# KiCad board Engine.kicad_pcb (continued)
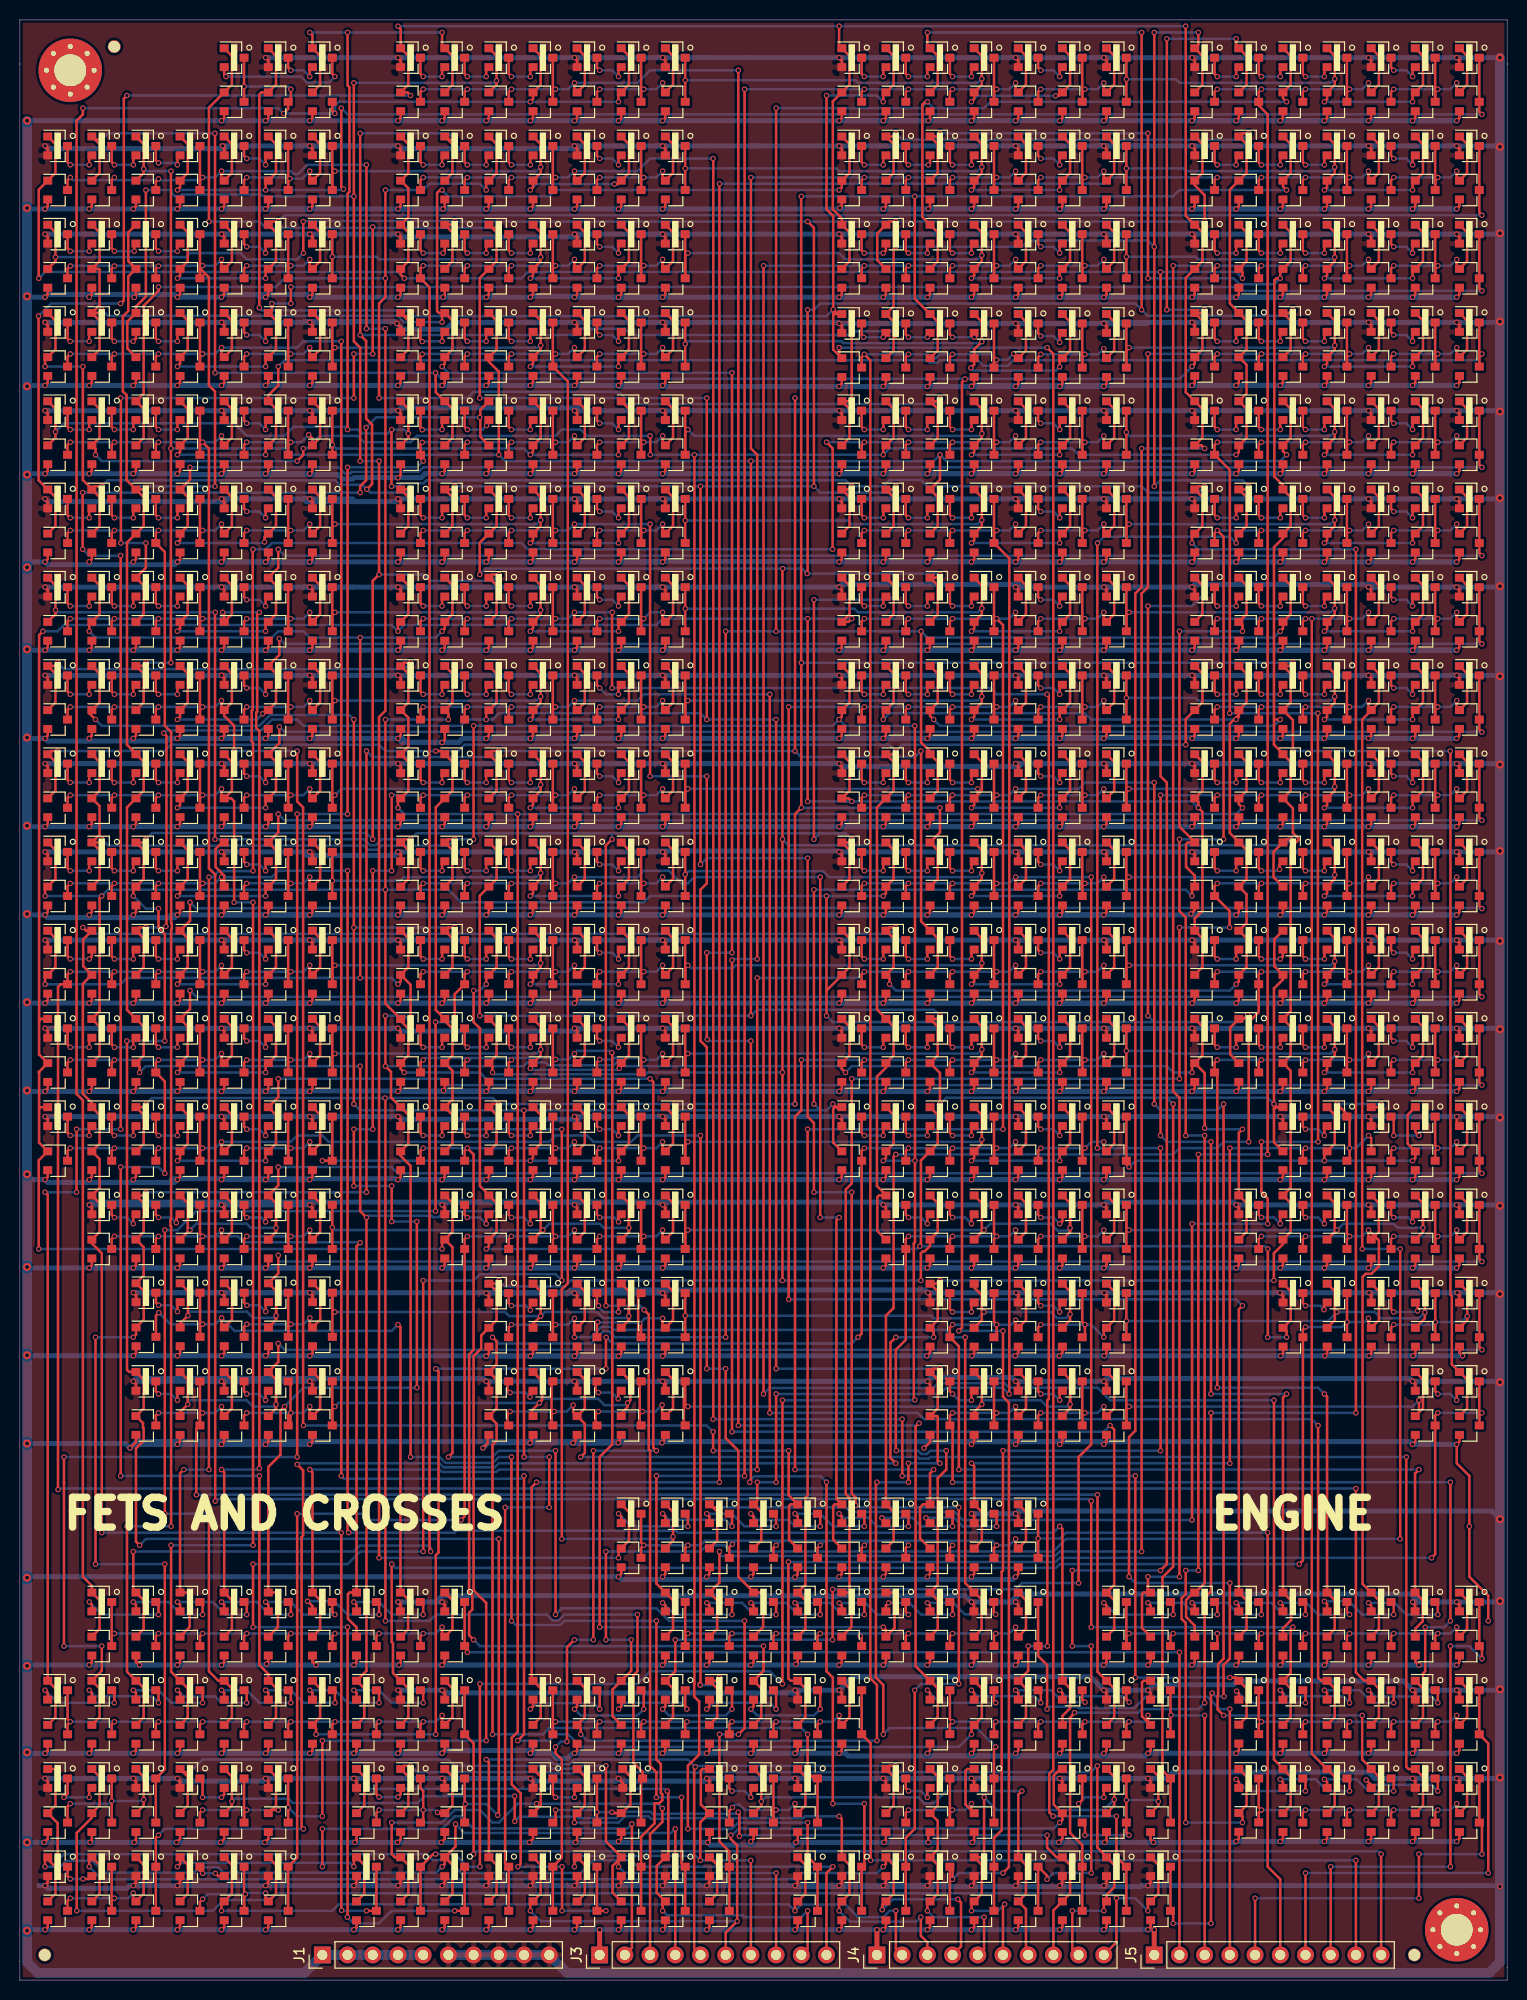
[diagram p0: board, top side]
## Routing (per net, layer and track width the routed paths; a pad name or vN(x,y) marks a point on that pad's centre or on a via; arc(x,y) is an arc through that point) (continued)
/M2_E: length 155.2
  Top w0.25: Q654.3 Q656.3 98.16,136.89 v1(98.43,137.16) 99.06,136.52 v1(99.06,85.72) ; Q649.3 84.82,136.89 v1(85.09,137.16) ; Q650.3 89.27,136.89 v1(89.54,137.16) ; Q655.3 93.71,136.89 v1(93.98,137.16) ; v1(100.33,137.79) 100.33,137.11 Q659.1 101.38,137.62 101.38,140.51 100.6,141.28 ; v1(79.38,85.72) 79.38,48.82 79.15,48.6 79.15,39.83 Q159.1 79.15,38.27 79.15,35.38 Q167.1
  Bottom w0.25: v1(85.09,137.16) v1(98.43,137.16) 99.7,137.16 v1(100.33,137.79) ; v1(79.38,85.72) v1(99.06,85.72)
/M2_F: length 146.6
  Top w0.25: Q598.3 Q600.3 133.72,110.22 v1(133.98,110.49) ; v1(120.65,110.49) 120.38,110.22 Q593.3 121.9,107.7 v1(121.9,106.04) ; Q594.3 124.83,110.22 v1(125.1,110.49) ; Q599.3 129.27,110.22 v1(129.54,110.49) ; v1(135.89,111.12) 135.89,110.44 Q603.1 136.94,110.95 136.94,113.84 Q604.1 ; v1(116.84,90.8) v1(116.84,106.04) ; 83.52,39.05 83.79,38.78 83.79,35.57 Q161.1 ; 83.52,39.05 83.6,39.13 83.6,48.6 83.22,48.98 83.22,79.66 83.82,80.26 v1(83.82,90.8) ; 83.52,39.05 Q158.1
  Bottom w0.25: v1(120.65,110.49) v1(133.98,110.49) 135.25,110.49 v1(135.89,111.12) ; v1(116.84,90.8) v1(83.82,90.8) ; v1(116.84,106.04) v1(121.9,106.04)
/M2_H: length 130.8
  Top w0.25: Q458.3 Q460.3 53.7,92.48 v1(53.98,92.76) ; Q453.3 40.37,92.44 v1(40.64,92.71) ; Q454.3 44.81,92.44 v1(45.09,92.71) ; Q459.3 49.26,92.44 v1(49.53,92.71) ; v1(55.88,93.34) 55.88,92.66 Q463.1 56.93,93.17 56.93,96.06 Q464.1 ; v1(87,35.56) 87.27,35.29 Q155.1 88.14,35.48 88.14,38.88 87.97,39.05 Q157.1 ; v1(58.42,35.56) 58.42,52.7 59.69,53.97 59.69,93.39 v1(59.64,93.43)
  Bottom w0.25: 50.36,92.91 45.52,92.91 ; 50.36,92.91 49.73,92.91 v1(49.53,92.71) ; 50.36,92.91 53.83,92.91 v1(53.98,92.76) 55.29,92.76 v1(55.88,93.34) 56.15,93.62 59.46,93.62 v1(59.64,93.43) ; 45.52,92.91 45.33,92.71 v1(45.09,92.71) ; 45.52,92.91 40.84,92.91 v1(40.64,92.71) ; v1(58.42,35.56) v1(87,35.56)
/M2_K: length 70.8
  Top w0.25: Q276.1 101.38,78.28 101.38,75.39 Q275.1 100.33,74.88 v1(100.33,75.56) ; v1(89.54,74.93) 89.27,74.66 Q279.3 89.27,64.5 88.27,63.5 88.27,53.4 v1(88.32,53.35) ; Q284.3 98.16,74.66 v1(98.43,74.93) 98.16,75.2 Q283.3 ; v1(93.98,74.93) 93.71,74.66 Q280.3 ; Q166.1 92.49,35.38 92.49,38.27 Q154.1 92.49,39.83 92.49,50.58 93.34,51.44 v1(93.34,53.34)
  Bottom w0.25: v1(89.54,74.93) v1(98.43,74.93) 99.7,74.93 v1(100.33,75.56) ; v1(88.32,53.35) 90.5,53.35 90.85,53 91.4,53 91.73,53.34 v1(93.34,53.34)
/M2_L: length 92.5
  Top w0.25: Q298.1 56.93,69.39 56.93,66.5 Q297.1 ; Q297.1 55.88,65.99 v1(55.88,66.67) ; Q297.1 55.88,65.45 v1(55.88,64.77) ; Q303.3 Q304.3 53.7,65.77 v1(53.98,66.04) ; v1(49.53,66.04) 49.26,65.77 Q301.3 ; v1(95.25,64.77) 95.25,40 96.13,39.12 Q153.1 96.2,39.05 96.91,38.35 96.91,35.36 Q160.1
  Bottom w0.25: v1(49.53,66.04) v1(53.98,66.04) 55.24,66.04 v1(55.88,66.67) ; v1(55.88,64.77) 57.55,64.77 58.59,65.81 59.56,65.81 59.86,65.51 93.24,65.51 93.98,64.77 v1(95.25,64.77)
/M3_A: length 225.9
  Top w0.25: Q991.3 120.38,190.23 v1(120.65,190.5) ; Q997.3 129.27,190.23 v1(129.54,190.5) ; v1(133.98,190.5) 133.72,190.23 Q998.3 Q996.3 ; v1(125.1,190.5) 124.83,190.23 Q992.3 124.83,188.86 125.73,187.96 v1(125.73,83.18) ; Q148.1 123.6,20.49 123.6,17.62 Q150.1 123.19,16.48 v1(123.19,15.88) ; v1(117.48,41.28) 117.48,38.9 117.06,38.48 117.06,36.4 117.48,35.98 v1(117.48,15.88) ; v1(135.89,191.13) 135.89,190.45 Q1001.1 136.94,190.96 136.94,193.85 Q1002.1 ; v1(118.75,83.18) v1(118.75,41.28)
  Bottom w0.25: v1(120.65,190.5) v1(133.98,190.5) 135.25,190.5 v1(135.89,191.13) ; v1(117.48,15.88) v1(123.19,15.88) ; v1(118.75,41.28) v1(117.48,41.28) ; v1(125.73,83.18) v1(118.75,83.18)
/M3_B: length 250.7
  Top w0.25: Q145.1 128.05,17.6 128.05,20.49 Q147.1 127.27,21.32 126.36,22.22 v1(126.36,58.42) ; Q850.3 Q852.3 98.16,172.45 v1(98.43,172.72) ; Q845.3 84.82,172.45 v1(85.09,172.72) ; Q846.3 89.27,172.45 v1(89.54,172.72) ; Q851.3 93.71,172.45 v1(93.98,172.72) ; v1(100.33,173.35) 100.33,172.67 Q855.1 101.38,173.18 101.38,176.07 Q856.1 ; v1(74.93,59.05) v1(74.93,172.72)
  Bottom w0.25: v1(100.33,173.35) 99.7,172.72 v1(98.43,172.72) v1(85.09,172.72) v1(74.93,172.72) ; v1(74.93,59.05) 75.53,59.66 92.04,59.66 92.52,60.14 99.23,60.14 99.68,59.69 108.59,59.69 109.86,58.42 v1(126.36,58.42)
/M3_E: length 153.2
  Top w0.25: Q141.1 132.49,17.6 132.49,20.49 Q146.1 130.17,22.81 v1(130.17,137.16) ; Q668.3 Q670.3 133.72,136.89 v1(133.98,137.16) ; Q663.3 120.38,136.89 v1(120.65,137.16) ; Q664.3 124.83,136.89 v1(125.1,137.16) ; Q669.3 129.27,136.89 v1(129.54,137.16) ; v1(135.89,137.79) 135.89,137.11 Q673.1 136.94,137.62 136.94,140.51 136.16,141.28
  Bottom w0.25: v1(135.89,137.79) 135.25,137.16 v1(133.98,137.16) v1(130.17,137.16) v1(120.65,137.16)
/M3_F: length 172.7
  Top w0.25: Q149.1 136.94,17.6 136.94,20.49 Q143.1 136.16,21.32 135.25,22.22 v1(135.25,26.67) ; Q500.3 Q502.3 98.16,119.11 v1(98.43,119.38) ; Q495.3 84.82,119.11 v1(85.09,119.38) ; Q496.3 89.27,119.11 v1(89.54,119.38) ; Q501.3 93.71,119.11 v1(93.98,119.38) ; v1(100.33,120.01) 100.33,119.33 Q505.1 101.38,119.84 101.38,122.73 Q506.1 ; v1(114.3,88.26) v1(114.3,120.65) ; v1(121.29,26.67) 120.68,27.27 120.68,28.58 120.74,28.63 120.74,31.84 121.29,32.39 v1(121.29,88.26)
  Bottom w0.25: v1(85.09,119.38) v1(98.43,119.38) 99.7,119.38 v1(100.33,120.01) 106.68,120.01 107.32,120.65 v1(114.3,120.65) ; v1(114.3,88.26) 114.9,87.66 120.68,87.66 v1(121.29,88.26) ; v1(135.25,26.67) v1(121.29,26.67)
/M3_M: length 146.3
  Top w0.25: 56.02,61.41 56.79,60.64 ; v1(53.84,57.29) 53.57,57.02 53.57,56.02 53.57,60.46 ; 49.13,56.02 49.13,57.02 v1(49.4,57.29) ; v1(55.75,57.92) 55.75,57.24 56.02,56.97 ; Q144.1 141.38,17.6 141.38,20.49 Q142.1 139.91,21.27 139.7,21.47 v1(139.7,52.7) ; 56.15,61.28 56.93,60.5 56.93,57.61 Q347.1 56.93,56.05 56.93,53.12 v1(56.51,52.7)
  Bottom w0.25: v1(49.4,57.29) v1(53.84,57.29) 55.11,57.29 v1(55.75,57.92) ; v1(56.51,52.7) 90.49,52.7 90.64,52.55 91.58,52.55 91.73,52.7 v1(139.7,52.7)
/M4_A: length 221
  Top w0.25: Q1010.3 Q1012.3 18.14,181.34 v1(18.41,181.61) ; Q1005.3 4.81,181.34 v1(5.08,181.61) ; v1(20.32,182.25) 20.32,181.56 Q1015.1 21.37,182.07 21.37,184.96 20.59,185.73 ; v1(9.53,181.61) 9.26,181.34 Q1006.3 ; v1(34.92,182.88) v1(34.92,166.37) ; v1(36.2,42.54) 36.2,127.25 36.83,127.89 v1(36.83,166.37) ; v1(60.32,42.54) 60.32,43.22 61.37,44.27 61.37,47.16 Q137.1 ; v1(13.97,181.46) 13.7,181.19 Q1011.3
  Bottom w0.25: 14.97,181.34 9.25,181.34 ; 14.97,181.34 14.1,181.34 v1(13.97,181.46) ; 14.97,181.34 18.14,181.34 v1(18.41,181.61) 19.68,181.61 v1(20.32,182.25) 27.3,182.25 27.6,181.95 28.03,181.95 28.96,182.88 v1(34.92,182.88) ; 9.25,181.34 5.35,181.34 v1(5.08,181.61) ; 9.25,181.34 v1(9.53,181.61) ; v1(34.92,166.37) v1(36.83,166.37) ; v1(36.2,42.54) v1(60.32,42.54)
/M4_B: length 167
  Top w0.25: Q892.3 Q894.3 ; Q894.3 53.7,163.56 v1(53.98,163.83) ; Q894.3 55.21,161.05 55.21,70.2 54.61,69.6 v1(54.61,44.45) ; Q888.3 44.81,163.56 v1(45.09,163.83) ; Q893.3 49.26,163.56 v1(49.53,163.83) ; v1(55.88,164.47) 55.88,163.78 Q897.1 56.93,164.29 56.93,167.18 Q898.1 ; Q136.1 65.82,47.16 v1(65.82,44.67) 65.82,44.27 65.04,43.5 ; v1(40.54,163.81) 40.37,163.64 Q887.3
  Bottom w0.25: v1(55.88,164.47) 55.24,163.83 v1(53.98,163.83) 40.56,163.83 v1(40.54,163.81) ; v1(54.61,44.45) 65.59,44.45 v1(65.82,44.67)
/M4_C: length 216.5
  Top w0.25: Q766.3 Q768.3 133.72,154.67 v1(133.98,154.94) ; v1(120.65,154.94) 120.38,154.67 Q761.3 121.92,152.13 121.92,127.66 v1(121.9,127.63) ; Q762.3 124.83,154.67 v1(125.1,154.94) ; Q767.3 129.27,154.67 v1(129.54,154.94) ; v1(135.89,155.57) 135.89,154.89 Q771.1 136.94,155.4 136.94,158.29 136.16,159.06 ; v1(125.1,84.45) 125.1,79.37 125.73,78.74 v1(125.73,76.2) ; v1(118.11,76.2) v1(118.11,46.35) ; v1(70.48,47.62) 69.8,47.62 Q135.1 69.54,47.94 70.26,47.21 70.26,44.27 69.48,43.5 ; v1(130.81,84.45) 130.81,101.6 130.79,101.62 v1(130.79,127.63)
  Bottom w0.25: v1(120.65,154.94) v1(133.98,154.94) 135.25,154.94 v1(135.89,155.57) ; v1(121.9,127.63) v1(130.79,127.63) ; v1(125.73,76.2) v1(118.11,76.2) ; v1(130.81,84.45) v1(125.1,84.45) ; v1(118.11,46.35) 95,46.35 94.18,47.17 83.67,47.17 83.22,47.62 v1(70.48,47.62)
/M4_D: length 160.3
  Top w0.25: Q808.3 Q810.3 ; Q810.3 98.16,145.78 v1(98.43,146.05) ; Q810.3 99.7,143.24 99.7,59.08 v1(99.67,59.05) ; Q803.3 84.82,145.78 v1(85.09,146.05) ; Q804.3 89.27,145.78 v1(89.54,146.05) ; Q809.3 93.71,145.78 v1(93.98,146.05) ; v1(100.33,146.69) 100.33,146 Q813.1 101.38,146.51 101.38,149.4 Q814.1 ; 73.93,43.5 74.71,44.27 74.71,47.16 Q131.1 74.3,48.3 v1(74.3,50.16) ; v1(76.2,59.05) v1(76.2,50.16)
  Bottom w0.25: v1(85.09,146.05) v1(98.43,146.05) 99.7,146.05 v1(100.33,146.69) ; v1(76.2,59.05) 92.71,59.05 93.34,59.69 99.04,59.69 v1(99.67,59.05) ; v1(76.2,50.16) v1(74.3,50.16)
/M4_E: length 173.1
  Top w0.25: Q682.3 Q684.3 18.14,128 v1(18.41,128.27) ; Q677.3 4.81,128 v1(5.08,128.27) ; Q678.3 9.26,128 v1(9.53,128.27) ; Q683.3 13.7,128 v1(13.97,128.27) ; Q687.1 20.32,128.22 v1(20.32,128.9) ; Q687.1 21.37,128.73 21.37,131.62 Q688.1 ; Q687.1 20.59,127.36 21.59,126.36 v1(21.59,123.82) ; v1(28.57,55.88) 28.54,55.91 28.54,118.14 27.94,118.74 v1(27.94,123.82) ; v1(69.85,55.25) v1(69.85,53.34) ; 78.38,43.5 77.5,44.37 77.5,47.77 77.68,47.94 Q130.1 77.47,48.84 v1(77.47,53.34)
  Bottom w0.25: v1(5.08,128.27) v1(18.41,128.27) 19.68,128.27 v1(20.32,128.9) ; v1(69.85,55.25) 69.22,55.88 v1(28.57,55.88) ; v1(69.85,53.34) v1(77.47,53.34) ; v1(21.59,123.82) v1(27.94,123.82)
/M4_F: length 128.5
  Top w0.25: Q528.3 Q530.3 53.7,110.22 v1(53.98,110.49) ; Q523.3 40.37,110.22 v1(40.64,110.49) ; Q524.3 44.81,110.22 v1(45.09,110.49) ; Q529.3 49.26,110.22 v1(49.53,110.49) ; v1(55.88,111.12) 55.88,110.44 Q533.1 56.93,110.95 56.93,113.84 Q534.1 ; v1(80.65,76.83) v1(80.65,111.12) ; v1(82.55,76.83) 82.28,76.56 82.28,48.48 Q129.1 82.12,47.94 81.95,47.77 81.95,44.37 82.82,43.5
  Bottom w0.25: v1(40.64,110.49) v1(53.98,110.49) 55.24,110.49 v1(55.88,111.12) 62.23,111.12 62.87,111.76 65.41,111.76 66.68,110.49 67.31,110.49 67.95,111.12 v1(80.65,111.12) ; v1(82.55,76.83) v1(80.65,76.83)
/M4_G: length 124.8
  Top w0.25: Q430.3 Q432.3 133.72,101.33 v1(133.98,101.6) ; Q425.3 120.38,101.33 v1(120.65,101.6) ; v1(125.1,101.6) 124.83,101.33 Q426.3 124.83,97.52 123.83,96.52 v1(123.83,84.45) ; Q431.3 129.27,101.33 v1(129.54,101.6) ; v1(135.89,102.23) 135.89,101.55 Q435.1 136.94,102.06 136.94,104.95 Q436.1 ; 87.27,43.5 88.04,44.27 88.04,47.16 Q125.1 87.27,66.94 88.04,67.72 88.04,82.96 v1(88.27,83.18)
  Bottom w0.25: v1(120.65,101.6) v1(133.98,101.6) 135.25,101.6 v1(135.89,102.23) ; v1(123.83,84.45) 121.29,84.45 120.65,83.82 116.84,83.82 116.2,83.18 v1(88.27,83.18)
/M4_H: length 103.5
  Top w0.25: Q472.3 Q474.3 98.16,92.44 v1(98.43,92.71) ; Q467.3 84.82,92.44 v1(85.09,92.71) ; Q468.3 89.27,92.44 v1(89.54,92.71) ; Q473.3 93.71,92.44 v1(93.98,92.71) ; v1(100.33,93.34) 100.33,92.66 Q477.1 101.38,93.17 101.38,96.06 Q478.1 ; 91.71,43.5 90.7,44.5 90.7,47.63 91.01,47.94 Q124.1 91.71,51.07 v1(92.08,51.44) ; v1(78.11,51.44) 78.11,86.99 78.74,87.63 v1(78.74,92.71)
  Bottom w0.25: v1(100.33,93.34) 99.7,92.71 v1(98.43,92.71) 85.73,92.71 ; v1(78.74,92.71) 85.73,92.71 ; 85.73,92.71 v1(85.09,92.71) ; v1(92.08,51.44) v1(78.11,51.44)
/M4_I: length 96.6
  Top w0.25: Q404.1 136.84,87.94 v1(137.16,88.26) ; v1(132.72,88.26) 133.72,87.26 Q409.3 133.98,86.72 v1(133.98,83.82) 133.98,82.82 Q410.3 ; 96.16,43.5 96.93,44.27 96.93,47.16 Q123.1 96.16,51.8 v1(95.89,52.07) ; v1(129.54,83.82) 129.27,83.55 Q407.3 ; v1(121.92,83.82) v1(121.92,52.07) ; Q403.1 136.16,84.82 v1(135.89,85.09)
  Bottom w0.25: v1(132.72,88.26) v1(137.16,88.26) ; v1(135.89,85.09) 134.62,83.82 v1(133.98,83.82) v1(129.54,83.82) v1(121.92,83.82) ; v1(95.89,52.07) v1(121.92,52.07)
/M5_A: length 257.4
  Top w0.25: Q100.1 123.6,26.51 123.6,29.38 Q98.1 122.51,30.48 v1(121.92,30.48) ; Q1024.3 Q1026.3 53.7,181.34 v1(53.98,181.61) ; Q1019.3 40.37,181.34 v1(40.64,181.61) ; Q1020.3 44.81,181.34 v1(45.09,181.61) ; Q1025.3 49.26,181.34 v1(49.53,181.61) ; v1(55.88,182.25) 55.88,181.56 Q1029.1 56.93,182.07 56.93,184.96 56.15,185.73 ; v1(69.85,183.51) 69.86,183.5 69.86,56.53 v1(69.85,56.51) ; v1(88.9,56.51) 88.92,56.5 88.92,50.82 v1(88.9,50.8) ; v1(112.4,50.8) v1(112.4,30.48)
  Bottom w0.25: v1(40.64,181.61) v1(53.98,181.61) 55.24,181.61 v1(55.88,182.25) 62.23,182.25 63.5,183.51 v1(69.85,183.51) ; v1(112.4,30.48) v1(121.92,30.48) ; v1(69.85,56.51) v1(88.9,56.51) ; v1(88.9,50.8) v1(112.4,50.8)
/M5_B: length 271.2
  Top w0.25: 127.27,25.72 128.05,26.49 128.05,29.38 Q97.1 128.05,30.94 128.05,35.34 v1(128.27,35.56) ; Q934.3 Q936.3 18.14,154.67 v1(18.41,154.94) 19.05,154.31 19.05,112.01 19.68,111.38 v1(19.68,48.26) ; Q929.3 4.81,154.67 v1(5.08,154.94) ; Q930.3 9.26,154.67 v1(9.53,154.94) ; Q935.3 13.7,154.67 v1(13.97,154.94) ; v1(20.32,155.57) 20.32,154.89 Q939.1 21.37,155.4 21.37,158.29 20.59,159.06 ; v1(107.95,35.56) v1(107.95,48.26)
  Bottom w0.25: v1(5.08,154.94) v1(18.41,154.94) 19.68,154.94 v1(20.32,155.57) ; v1(128.27,35.56) v1(107.95,35.56) ; v1(107.95,48.26) 107.74,48.47 19.89,48.47 v1(19.68,48.26)
/M5_E: length 211.3
  Top w0.25: 131.72,25.72 132.49,26.49 132.49,29.38 Q96.1 131.13,30.16 130.81,30.48 v1(130.81,55.88) ; Q696.3 Q698.3 53.7,128 v1(53.98,128.27) ; Q691.3 40.37,128 v1(40.64,128.27) ; Q692.3 44.81,128 v1(45.09,128.27) ; Q697.3 49.26,128 v1(49.53,128.27) ; v1(55.88,128.9) 55.88,128.22 Q701.1 56.93,128.73 56.93,131.62 Q702.1 ; v1(75.57,57.15) v1(75.57,129.54)
  Bottom w0.25: v1(40.64,128.27) v1(53.98,128.27) 55.24,128.27 v1(55.88,128.9) 62.23,128.9 62.87,129.54 v1(75.57,129.54) ; v1(75.57,57.15) 90.45,57.15 91.09,56.51 130.17,56.51 v1(130.81,55.88)
/M5_F: length 239.7
  Top w0.25: 136.16,25.72 136.94,26.49 136.94,29.38 Q93.1 135.46,30.16 134.62,31 v1(134.62,49.53) ; Q556.3 Q558.3 18.14,101.33 v1(18.41,101.6) ; v1(5.08,101.6) 4.81,101.33 Q551.3 4.11,100.33 3.84,100.06 v1(3.84,49.42) ; Q552.3 9.26,101.33 v1(9.53,101.6) ; Q557.3 13.7,101.33 v1(13.97,101.6) ; v1(20.32,102.23) 20.32,101.55 Q561.1 21.37,102.06 21.37,104.95 Q562.1
  Bottom w0.25: v1(5.08,101.6) v1(18.41,101.6) 19.68,101.6 v1(20.32,102.23) ; v1(3.84,49.42) 3.95,49.53 v1(134.62,49.53)
/M5_M: length 104.1
  Top w0.25: 100.6,61.28 101.38,60.5 101.38,57.61 Q337.1 100.33,57.1 v1(100.33,57.78) ; Q343.3 Q344.3 98.16,56.88 v1(98.43,57.15) ; v1(93.98,57.15) 93.71,56.88 Q341.3 93.98,55.61 v1(93.98,50.16) ; 141.38,29.38 141.38,26.49 140.6,25.72 ; 141.38,29.38 Q92.1 ; 141.38,29.38 141.38,30.89 141.6,31.11 v1(141.6,35.56) ; v1(144.14,36.19) v1(144.14,50.16)
  Bottom w0.25: v1(93.98,57.15) v1(98.43,57.15) 99.7,57.15 v1(100.33,57.78) ; v1(144.14,36.19) 143.51,35.56 v1(141.6,35.56) ; v1(144.14,50.16) v1(93.98,50.16)
/M6_A: length 232.9
  Top w0.25: Q118.1 110.27,35.38 110.27,38.27 Q115.1 110.27,39.83 110.27,55.47 v1(109.86,55.88) ; Q1038.3 Q1040.3 98.16,181.34 v1(98.43,181.61) ; Q1033.3 84.82,181.34 v1(85.09,181.61) ; Q1034.3 89.27,181.34 v1(89.54,181.61) ; Q1039.3 93.71,181.34 v1(93.98,181.61) ; v1(100.33,182.25) 100.33,181.56 Q1043.1 101.38,182.07 101.38,184.96 100.6,185.73 ; v1(73.66,181.61) 73.66,154.31 74.3,153.67 v1(74.3,102.87) ; v1(71.76,55.25) v1(71.76,102.75)
  Bottom w0.25: v1(100.33,182.25) 99.7,181.61 v1(98.43,181.61) v1(85.09,181.61) v1(73.66,181.61) ; v1(74.3,102.87) 71.87,102.87 v1(71.76,102.75) ; v1(109.86,55.88) 109.22,55.25 v1(71.76,55.25)
/M6_B: length 178.9
  Top w0.25: Q864.3 Q866.3 133.72,172.45 v1(133.98,172.72) ; Q859.3 120.38,172.45 v1(120.65,172.72) ; Q860.3 124.83,172.45 v1(125.1,172.72) ; Q865.3 129.27,172.45 v1(129.54,172.72) ; v1(135.89,173.35) 135.89,172.67 Q869.1 136.94,173.18 136.94,176.07 Q870.1 ; v1(116.2,172.72) 116.2,89.53 116.84,88.9 v1(116.84,40.64) ; v1(113.67,40.64) 113.67,39.32 Q114.1 113.23,39.05 113.06,38.88 113.06,35.48 Q112.1
  Bottom w0.25: v1(135.89,173.35) 135.25,172.72 v1(133.98,172.72) v1(120.65,172.72) v1(116.2,172.72) ; v1(116.84,40.64) v1(113.67,40.64)
/M6_D: length 151.2
  Top w0.25: Q822.3 Q824.3 133.72,145.78 v1(133.98,146.05) ; Q817.3 120.38,145.78 v1(120.65,146.05) 121.29,145.41 v1(121.29,114.93) ; Q818.3 124.83,145.78 v1(125.1,146.05) ; Q823.3 129.27,145.78 v1(129.54,146.05) ; v1(135.89,146.69) 135.89,146 Q827.1 136.94,146.51 136.94,149.4 Q828.1 ; v1(119.38,85.09) 119.38,40 118.42,39.05 Q113.1 118.26,39.05 117.51,38.3 117.51,36.58 118.38,35.71 Q106.1 ; v1(116.84,114.93) 116.84,107.7 117.48,107.06 v1(117.48,85.09)
  Bottom w0.25: v1(120.65,146.05) v1(133.98,146.05) 135.25,146.05 v1(135.89,146.69) ; v1(119.38,85.09) v1(117.48,85.09) ; v1(116.84,114.93) v1(121.29,114.93)
/M6_E: length 179.1
  Top w0.25: Q117.1 123.6,35.38 123.6,38.27 Q109.1 122.83,67.58 v1(123.19,67.94) ; Q710.3 Q712.3 98.16,128 v1(98.43,128.27) ; Q705.3 84.82,128 v1(85.09,128.27) ; Q706.3 89.27,128 v1(89.54,128.27) ; Q711.3 93.71,128 v1(93.98,128.27) ; v1(100.33,128.9) 100.33,128.22 Q715.1 101.38,128.73 101.38,131.62 Q716.1 ; v1(77.47,68.58) v1(77.47,128.27)
  Bottom w0.25: v1(100.33,128.9) 99.7,128.27 v1(98.43,128.27) v1(85.09,128.27) v1(77.47,128.27) ; v1(123.19,67.94) 122.55,68.58 v1(77.47,68.58)
/M6_F: length 135.3
  Top w0.25: Q514.3 Q516.3 133.72,119.11 v1(133.98,119.38) ; Q509.3 120.38,119.11 v1(120.65,119.38) ; Q510.3 124.83,119.11 v1(125.1,119.38) ; Q515.3 129.27,119.11 v1(129.54,119.38) ; v1(135.89,120.01) 135.89,119.33 Q519.1 136.94,119.84 136.94,122.73 Q520.1 ; v1(127.64,59.05) 127.27,58.69 Q108.1 128.08,38.24 128.08,36.26 127.27,35.45 Q111.1 ; v1(120.02,59.05) v1(120.02,84.45) ; v1(114.94,85.09) v1(114.94,119.38)
  Bottom w0.25: v1(135.89,120.01) 135.25,119.38 v1(133.98,119.38) v1(120.65,119.38) v1(114.94,119.38) ; v1(114.94,85.09) 115.57,84.45 v1(120.02,84.45) ; v1(127.64,59.05) v1(120.02,59.05)
/M6_H: length 99.8
  Top w0.25: Q105.1 132.49,35.38 132.49,38.27 Q107.1 131.72,58.78 v1(131.44,59.05) ; Q486.3 Q488.3 133.72,92.44 v1(133.98,92.71) ; v1(120.65,92.71) 120.38,92.44 Q481.3 120.65,91.17 v1(120.65,59.69) ; Q482.3 124.83,92.44 v1(125.1,92.71) ; Q487.3 129.27,92.44 v1(129.54,92.71) ; v1(135.89,93.34) 135.89,92.66 Q491.1 136.94,93.17 136.94,96.06 Q492.1
  Bottom w0.25: v1(120.65,92.71) v1(133.98,92.71) 135.25,92.71 v1(135.89,93.34) ; v1(131.44,59.05) 130.81,59.69 v1(120.65,59.69)
/M6_K: length 68.1
  Top w0.25: Q240.1 136.94,78.28 136.94,75.39 Q239.1 135.89,74.88 v1(135.89,75.56) 136.94,74.52 136.94,71.91 136.18,71.15 135.6,71.15 135.29,70.84 135.29,39.92 Q104.1 136.94,38.27 136.94,35.38 Q116.1 ; v1(125.1,74.93) 124.83,74.66 Q243.3 ; Q248.3 133.72,74.66 v1(133.98,74.93) 133.72,75.2 Q247.3 ; v1(129.54,74.93) 129.27,74.66 Q244.3
  Bottom w0.25: v1(125.1,74.93) v1(133.98,74.93) 135.25,74.93 v1(135.89,75.56)
/M6_L: length 96.2
  Top w0.25: v1(94.62,51.44) 94.62,63.86 Q311.3 93.71,65.77 v1(93.98,66.04) ; Q308.1 101.38,69.39 101.38,66.5 Q307.1 100.33,65.99 v1(100.33,66.48) ; Q314.3 98.43,65.04 v1(98.43,66.04) 98.16,66.31 Q313.3 ; Q110.1 140.6,35.41 141.36,36.16 141.36,38.27 Q103.1 140.58,51.05 v1(140.97,51.44)
  Bottom w0.25: v1(140.97,51.44) v1(94.62,51.44) ; v1(100.33,66.48) 99.89,66.04 v1(98.43,66.04) v1(93.98,66.04)
/M7_A: length 256.6
  Top w0.25: Q1052.3 Q1054.3 133.72,181.34 v1(133.98,181.61) ; Q1047.3 120.38,181.34 v1(120.65,181.61) ; Q1048.3 124.83,181.34 v1(125.1,181.61) ; Q1053.3 129.27,181.34 v1(129.54,181.61) ; v1(135.89,182.25) 135.89,181.56 Q1057.1 136.94,182.07 136.94,184.96 136.16,185.73 ; v1(70.48,180.97) v1(70.48,50.16) ; 51.7,25.72 52.48,26.49 52.48,29.38 Q181.1 51.56,30.3 51.56,49.66 v1(52.07,50.16)
  Bottom w0.25: v1(135.89,182.25) 135.25,181.61 v1(133.98,181.61) v1(120.65,181.61) 109.86,181.61 109.22,180.97 v1(70.48,180.97) ; v1(70.48,50.16) v1(52.07,50.16)
/M7_B: length 207.8
  Top w0.25: Q906.3 Q908.3 98.16,162.96 v1(98.43,163.23) ; Q912.1 101.38,167.07 101.38,164.18 Q911.1 100.14,163.86 v1(100.14,163.86) ; Q180.1 56.2,30.16 56.93,29.43 56.93,26.49 56.15,25.72 56.51,25.35 v1(56.51,24.76) ; Q901.3 84.82,163.53 v1(85.09,163.8) 85.69,163.19 85.69,30.41 86.36,29.74 v1(86.36,24.13) ; Q907.3 93.71,163.53 v1(93.98,163.8) ; v1(89.54,163.8) 89.27,163.53 Q902.3
  Bottom w0.25: v1(56.51,24.76) 57.15,24.13 v1(86.36,24.13) ; v1(85.09,163.8) 91.47,163.8 91.89,163.38 92.26,163.38 92.68,163.8 97.86,163.8 v1(98.43,163.23) 99.5,163.23 v1(100.14,163.86)
/M7_E: length 222.1
  Top w0.25: Q724.3 Q726.3 133.72,128 v1(133.98,128.27) ; Q719.3 120.38,128 v1(120.65,128.27) ; Q720.3 124.83,128 v1(125.1,128.27) ; Q725.3 129.27,128 v1(129.54,128.27) ; Q729.1 135.89,128.22 v1(135.89,128.9) ; Q729.1 136.94,128.73 136.94,131.62 Q730.1 ; Q729.1 136.16,127.9 135.25,127 v1(135.25,73.66) ; v1(139.06,44.45) 139.09,44.47 v1(139.09,73.66) ; Q179.1 61.59,31.16 v1(61.59,34.29) ; Q179.1 59.72,29.29 59.72,26.59 60.59,25.72 ; Q179.1 60.96,30.53 ; v1(59.05,43.18) v1(59.05,34.29)
  Bottom w0.25: v1(120.65,128.27) v1(133.98,128.27) 135.25,128.27 v1(135.89,128.9) ; v1(59.05,43.18) 68.58,43.18 69.22,43.81 71.01,43.81 71.64,43.18 104.14,43.18 105.41,44.45 v1(139.06,44.45) ; v1(135.25,73.66) v1(139.09,73.66) ; v1(59.05,34.29) v1(61.59,34.29)
/M7_F: length 166.5
  Top w0.25: Q542.3 Q544.3 98.16,110.22 v1(98.43,110.49) ; Q537.3 84.82,110.22 v1(85.09,110.49) ; Q538.3 89.27,110.22 v1(89.54,110.49) ; Q543.3 93.71,110.22 v1(93.98,110.49) ; v1(100.33,111.12) 100.33,110.44 Q547.1 101.38,110.95 101.38,113.84 Q548.1 ; v1(107.95,111.12) 107.95,53.97 106.68,52.7 v1(106.68,40) ; v1(81.89,34.29) v1(81.89,39.37) ; v1(66.04,34.29) 66.04,31.11 65.09,30.16 Q176.1 65.82,29.38 65.82,26.49 65.04,25.72
  Bottom w0.25: v1(85.09,110.49) v1(98.43,110.49) 99.7,110.49 v1(100.33,111.12) v1(107.95,111.12) ; v1(106.68,40) 100.97,40 100.33,39.37 v1(81.89,39.37) ; v1(66.04,34.29) v1(81.89,34.29)
/M7_I: length 145.3
  Top w0.25: Q364.3 Q366.3 18.14,83.55 v1(18.41,83.82) ; Q359.3 4.81,83.55 v1(5.08,83.82) ; Q360.3 9.26,83.55 v1(9.53,83.82) ; Q365.3 13.7,83.55 v1(13.97,83.82) ; v1(20.32,84.45) 20.32,83.77 Q369.1 21.37,84.28 21.37,87.17 Q370.1 ; v1(70.48,30.48) 70.17,30.16 Q175.1 70.26,29.38 70.26,26.49 69.48,25.72 ; 68.42,29.91 68.42,29.86 v1(68.55,29.72) 68.58,29.76 v1(68.58,85.09)
  Bottom w0.25: v1(5.08,83.82) v1(18.41,83.82) 19.68,83.82 v1(20.32,84.45) 27.3,84.45 27.94,85.09 30.48,85.09 31.11,84.45 53.34,84.45 53.98,85.09 57.15,85.09 57.79,84.45 61.59,84.45 62.23,85.09 v1(68.58,85.09) ; v1(70.48,30.48) 69.73,29.72 v1(68.55,29.72)
/M7_J: length 121
  Top w0.25: Q378.3 Q380.3 53.7,83.55 v1(53.98,83.82) ; Q373.3 40.37,83.55 v1(40.64,83.82) ; Q374.3 44.81,83.55 v1(45.09,83.82) 45.72,83.18 45.72,63.5 45.27,63.05 45.27,39.08 45.59,38.76 45.59,37.34 45.27,37.02 45.27,34.74 v1(45.72,34.29) ; Q379.3 49.26,83.55 v1(49.53,83.82) ; v1(55.88,84.45) 55.88,83.77 Q383.1 56.93,84.28 56.93,87.17 Q384.1 ; Q174.1 74.93,31.16 v1(74.93,33.66) ; Q174.1 74.3,30.53 ; Q174.1 74.71,29.38 74.71,26.49 73.93,25.72
  Bottom w0.25: v1(40.64,83.82) v1(53.98,83.82) 55.24,83.82 v1(55.88,84.45) ; v1(45.72,34.29) 46.35,33.66 v1(74.93,33.66)
/M7_M: length 108
  Top w0.25: Q357.3 Q358.3 147.05,56.88 v1(147.32,57.15) ; v1(142.88,57.15) 142.6,56.88 Q355.3 142.6,42.91 v1(142.24,42.54) ; v1(77.44,42.13) 77.44,30.4 77.68,30.16 Q171.1 79.15,29.38 79.15,26.49 78.38,25.72
  Bottom w0.25: v1(147.32,57.15) v1(142.88,57.15) ; v1(142.24,42.54) 104.78,42.54 104.36,42.13 v1(77.44,42.13)
/M8_A: length 203.7
  Top w0.25: 2.81,25.72 3.59,26.49 3.59,29.38 Q215.1 2.81,79.1 v1(2.54,79.37) ; Q1066.3 Q1068.3 18.14,172.45 ; 18.14,172.45 v1(18.41,172.72) ; 18.14,172.45 19.05,171.54 19.05,160.66 19.66,160.04 v1(19.66,150.5) ; v1(20.32,173.35) 20.32,172.67 Q1071.1 21.37,173.18 21.37,176.07 Q1072.1 ; v1(5.71,79.37) v1(5.71,85.72) ; v1(10.16,85.72) v1(10.16,143.51) ; Q1067.3 13.7,172.42 v1(13.97,172.69) ; v1(9.53,172.69) 9.26,172.42 Q1062.3 ; v1(5.08,172.69) 4.81,172.42 Q1061.3 ; v1(6.33,144.14) v1(6.33,149.86)
  Bottom w0.25: v1(20.32,173.35) 19.68,172.72 v1(18.41,172.72) 5.11,172.72 v1(5.08,172.69) ; v1(10.16,143.51) 6.96,143.51 v1(6.33,144.14) ; v1(2.54,79.37) v1(5.71,79.37) ; v1(19.66,150.5) 12.06,150.5 11.43,149.86 v1(6.33,149.86) ; v1(5.71,85.72) v1(10.16,85.72)
/M8_B: length 200.5
  Top w0.25: 7.26,25.72 8.03,26.49 8.03,29.38 Q214.1 8.26,31.16 v1(8.26,33.66) ; Q948.3 Q950.3 53.7,154.67 v1(53.98,154.94) ; Q944.3 44.81,154.67 v1(45.09,154.94) ; Q949.3 49.26,154.67 v1(49.53,154.94) ; v1(55.88,155.57) 55.88,154.89 Q953.1 56.93,155.4 56.93,158.29 56.15,159.06 ; v1(27.94,117.47) v1(27.94,52.7) ; v1(33.02,152.4) v1(33.02,117.47) ; v1(4.44,52.7) 4.44,50.17 4.48,50.13 4.44,50.09 v1(4.44,33.66) ; v1(40.54,154.92) 40.37,154.75 Q943.3 40.37,153.31 v1(40.64,153.03)
  Bottom w0.25: v1(55.88,155.57) 55.24,154.94 v1(53.98,154.94) 40.56,154.94 v1(40.54,154.92) ; v1(33.02,152.4) 40,152.4 v1(40.64,153.03) ; v1(27.94,52.7) v1(4.44,52.7) ; v1(4.44,33.66) v1(8.26,33.66) ; v1(33.02,117.47) v1(27.94,117.47)
/M8_C: length 156.9
  Top w0.25: 11.7,25.72 12.48,26.49 12.48,29.43 11.75,30.16 Q213.1 10.79,31.06 v1(10.79,45.72) ; Q780.3 Q782.3 18.14,145.78 v1(18.41,146.05) ; Q775.3 4.81,145.78 v1(5.08,146.05) ; Q776.3 9.26,145.78 v1(9.53,146.05) ; v1(13.97,146.05) 13.7,145.78 Q781.3 14.6,143.88 14.6,126.36 15.24,125.73 15.24,106.51 15.31,106.44 15.31,105.86 15.24,105.79 15.24,76.67 15.17,76.59 15.17,76.02 15.24,75.95 v1(15.24,45.72) ; v1(20.32,146.69) 20.32,146 Q785.1 21.37,146.51 21.37,149.4 Q786.1